# KiCad board P3.kicad_pcb (continued)
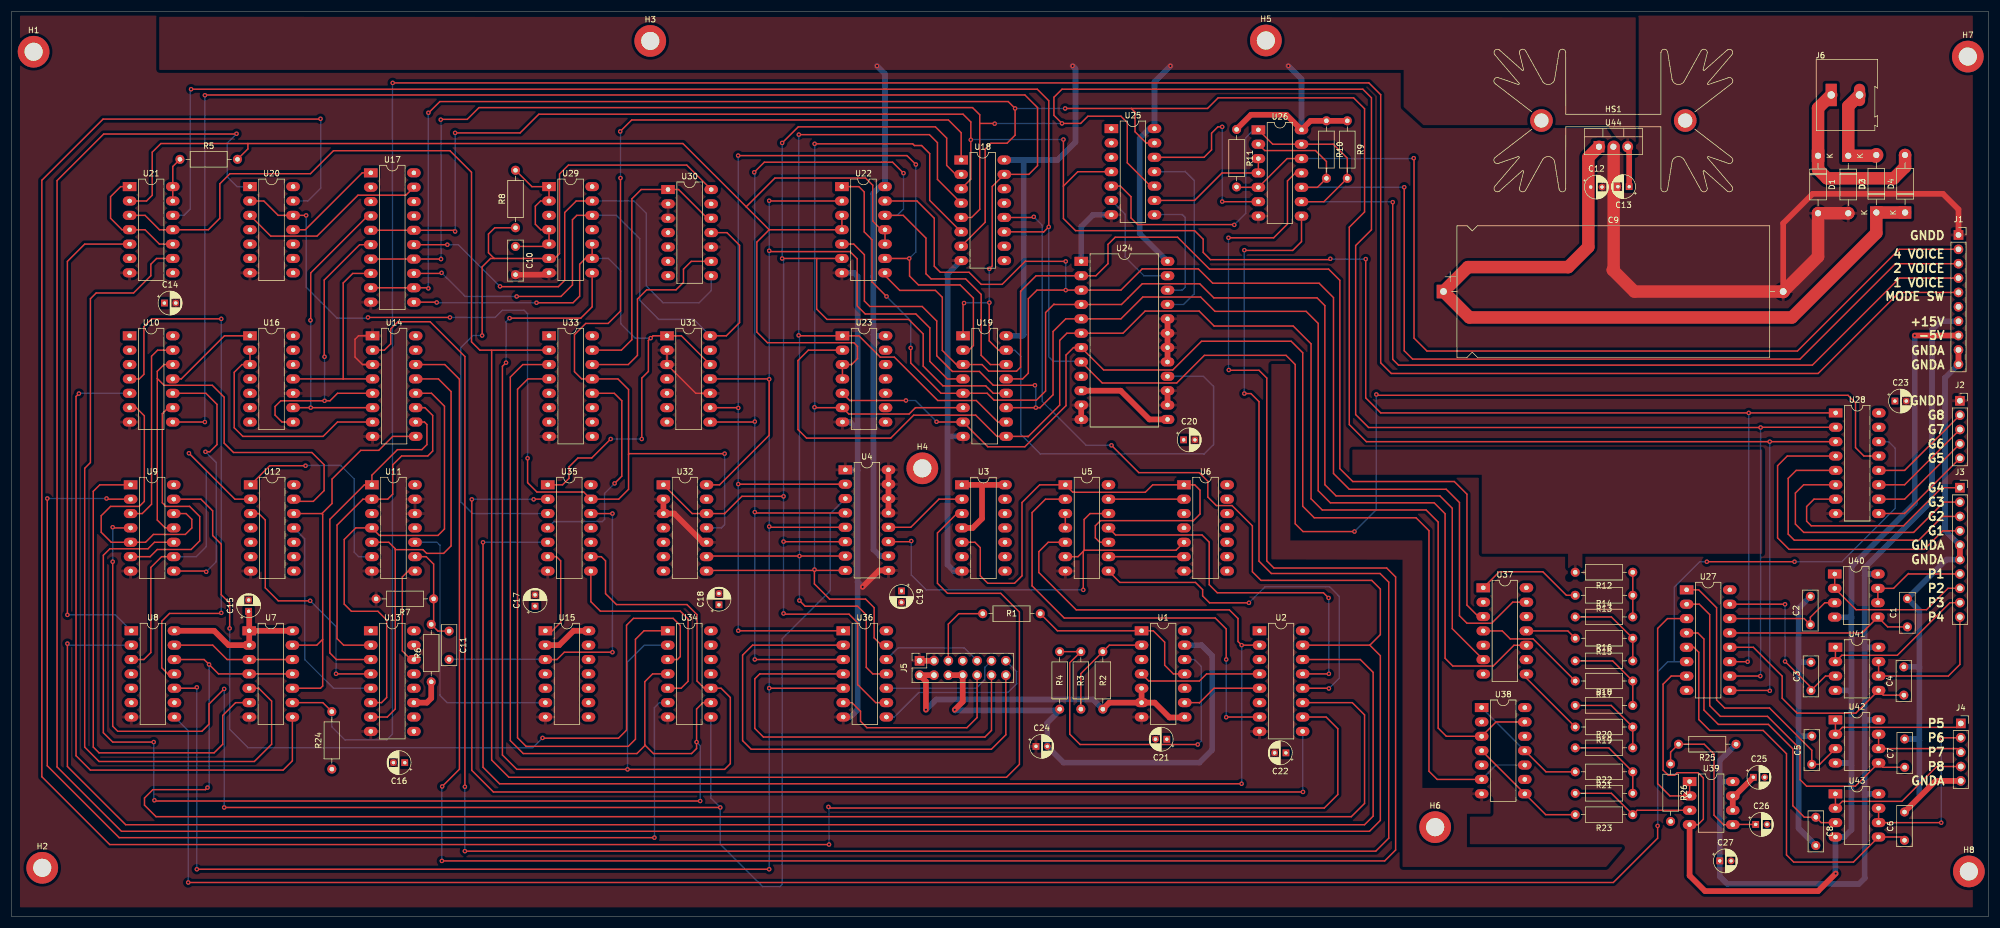
[diagram p0: board, top side]
## Routing (per net, layer and track width the routed paths; a pad name or vN(x,y) marks a point on that pad's centre or on a via; arc(x,y) is an arc through that point)
+3.3VDAC: length 7.5
  Top w1: C25.1 304.39,21.34 U39.7 U39.6
+5V: length 402.3
  Top w0.25: R5.1 28.51,132.59 U21.14 U21.13 ; U21.1 19.31,129.04 17.53,127.25 17.53,123.44 19.55,121.42 U21.4 23.62,121.42 26.16,118.88 U21.10
  Top w1: U24.13 201.02,87.88 195.94,92.96 U24.10 ; U7.1 U7.14 ; U7.1 U7.2 38.37,47.99 35.83,50.53 U8.14 ; U7.1 42.02,53.86 C15.1 ; U15.2 96.76,47.99 99.31,50.55 99.33,50.53 U15.14 ; U1.6 U1.5 ; U1.6 201.94,37.83 204.57,35.2 207.21,35.2 207.25,35.24 U1.8 ; U1.6 193.93,37.83 R2.1 ; U3.1 171.32,76.33 ; 171.58,76.33 U3.14 ; 162.96,42.69 J5.2 161.54,41.57 v1(161.54,36.58) ; U13.11 73.39,37.83 74.17,38.61 R6.1 ; U3.4 169.8,68.71 171.45,70.36 171.45,76.2 ; C13.1 285.76,135.82 U44.3 ; R9.1 R10.1 229.47,140.67 U26.14 225.22,141.73 218.95,141.73 216.41,139.19 R11.1
  Bottom w1: 152.27,102.87 152.27,64.9 153.43,63.74 U4.10 ; 152.27,102.87 152.48,102.67 U23.14 ; 152.27,102.87 152.27,113.04 152.22,113.09 152.22,127.83 153.42,129.04 U22.14 154.32,148.96 v1(152.91,150.37) ; 178.82,133.6 178.82,102.87 178.61,102.67 U19.16 ; U24.24 199.29,120.75 199.29,137.57 201.01,139.29 U25.14 201.91,147.56 v1(204.72,150.37) ; R2.1 191.07,38.4 163.37,38.4 v1(161.54,36.58) ; v1(187.45,150.37) 187.96,149.86 187.96,136.91 184.79,133.74 U18.16 ; v1(225.55,150.37) 227.88,148.04 U26.14
+15V: length 170.6
  Bottom w1: U40.8 327.57,60.57 327.36,60.35 ; 327.36,35.1 327.67,34.79 U42.8 ; 327.36,35.1 327.36,21.59 ; 327.36,35.1 327.36,47.55 ; J1.7 340.76,105.25 339.24,103.73 339.24,73.56 327.36,61.67 327.36,60.35 ; 327.36,21.59 327.36,6.81 326.34,5.79 303.07,5.79 301.75,7.11 301.75,23.77 ; 327.36,21.59 327.47,21.71 U43.8 ; R25.1 301.75,27.61 301.75,23.77 ; U41.8 327.42,47.62 327.36,47.55 ; 301.75,23.77 301.86,23.88 U39.8 ; 327.36,60.35 327.36,47.55
-5V: length 282.5
  Top w0.25: U39.4 297.9,16.26 298.86,17.22 298.86,24.5 297.91,25.45 294.23,25.45 293.78,24.99 292.66,24.99 291.74,25.91 291.74,41.09 293.18,42.53 U27.7
  Top w1: v1(322.22,7.62) 319.13,4.52 299.16,4.52 296.43,7.26 U39.4 ; J5.6 J5.8 168.04,37.99 v1(166.62,36.58) ; v1(336.19,102.72) 343.91,102.72 J1.8
  Bottom w1: 325.02,26.77 324.62,27.17 U42.4 ; 325.02,26.77 325.02,15.37 323.74,14.09 U43.4 322.18,7.66 v1(322.22,7.62) ; 325.02,26.77 325.02,39.62 ; 325.02,39.62 325.02,52.83 ; 325.02,39.62 324.65,40 U41.4 ; 325.02,52.83 324.9,52.95 U40.4 ; 325.02,52.83 325.02,61.87 336.19,73.05 v1(336.19,102.72) ; U1.13 210.23,47.99 212.09,46.13 212.09,29.46 209.85,27.23 185.85,27.23 C24.2 182.97,34.26 185.17,36.45 166.75,36.45 v1(166.62,36.58)
GND: length 357.8
  Top w0.25: U14.3 62.03,97.59 60.71,98.91 60.71,102.06 61.32,102.67 U14.1 ; 344.17,91.08 J2.1 ; U31.2 U31.3 120.89,92.51 U31.10
  Top w1: U24.17 U24.18 U24.19 U24.20 ; J5.1 162.96,45.23 ; U24.11 U24.12 ; C9.2 312.96,122.56 318.16,127.76 341.17,127.76 343.92,125.02 J1.1 ; U24.14 U24.15 ; U32.2 U32.3 117.09,71.25 122.17,66.17 U32.10 ; U29.7 94.64,113.47 C10.2 ; v1(150.37,58.29) 153.27,61.2 U4.9 ; U4.13 U4.14 U4.15 U4.16
  Top w2.2: D2.2 D1.2 319.12,116.65 C9.2 286.66,110.49 282.85,114.3 283.02,114.46 283.02,136.08
  Bottom w1: U4.1 149.48,78.98 ; 149.48,86.23 149.48,36.58 148.19,35.29 U36.7 ; U22.7 148.84,113.8 149.48,113.16 149.48,86.11 148.16,87.43 U23.7 ; v1(150.37,58.29) 149.48,59.18 ; U19.8 165.41,84.89 ; U24.1 188.98,121.97 191.06,124.05 U25.7 ; U3.7 166.49,61.09 165.35,62.23 165.35,113.55 U18.8
GNDA: length 159.4
  Top w1: J3.6 J3.5 ; C6.2 339.88,24 J4.5 ; J1.10 J1.9
  Bottom w1: J3.6 341.8,63.12 C1.2 337.01,54.11 337.01,44.04 ; 337.01,31.19 337.01,21.13 C6.2 ; 337.01,31.19 336.79,31.41 C7.2 ; 337.01,31.19 337.01,44.04 ; C2.2 315.67,54.52 315.67,45.06 ; 337.01,44.04 336.89,44.16 C4.2 ; 315.67,45.06 315.67,31.8 ; 315.67,45.06 315.76,44.97 C3.2 ; 315.67,31.8 315.67,15.62 C8.2 ; 315.67,31.8 315.79,31.92 C5.2 ; J1.10 341.53,95.25 341.53,68.3 J3.5
/1_VOICE: length 227.6
  Top w0.25: U25.5 195.89,129.13 197.76,127.25 197.76,123.49 198.93,122.33 215.95,122.33 v1(216,122.28) ; v1(243.99,126.29) 243.99,98.5 245.01,97.49 318.11,97.49 333.5,112.88 333.51,112.87 J1.4 ; U26.1 222.8,136.53 U26.13 233.46,136.53 233.48,136.55 235.97,134.06 R9.2 231.83,126.37 U26.9
  Bottom w0.25: v1(216,122.28) 218.03,124.31 218.03,137.67 219.44,139.07 U26.1 ; v1(243.99,126.29) 243.91,126.37 U26.9
/2_VOICE: length 173.9
  Top w0.25: U26.2 221.38,135.41 230.35,135.41 232.28,133.48 R10.2 230.69,128.91 U26.10 ; v1(246.02,128.93) 246.02,100.03 247.5,98.55 315.93,98.55 332.79,115.41 J1.3
  Bottom w0.25: v1(246.02,128.93) 246,128.91 U26.10
/4_VOICE: length 169.8
  Top w0.25: U26.12 225.34,133.99 U26.5 216.48,128.91 R11.2 ; v1(247.7,134.06) 247.75,134.01 247.75,102.26 250.04,99.97 315.47,99.97 333.45,117.95 J1.2
  Bottom w0.25: v1(247.7,134.06) 247.63,133.99 U26.12
/A0: length 206.4
  Top w0.25: U31.9 128.35,89.97 v1(128.4,89.92) ; U4.2 128.41,76.44 v1(128.4,76.45) ; U36.1 128.41,50.53 v1(128.4,50.55) ; v1(159.77,132.94) 158.19,134.52 v1(128.37,134.52) ; U19.2 169.11,100.13 169.93,100.94 169.93,109.32 167.59,111.66 160.22,111.66 158.65,113.23 158.65,116.28 v1(158.59,116.34) U22.9
  Bottom w0.25: v1(128.37,134.52) 128.4,134.49 v1(128.4,89.92) v1(128.4,76.45) v1(128.4,50.55) ; v1(159.77,132.94) 159.77,117.51 v1(158.59,116.34)
/A1: length 206
  Top w0.25: U31.8 131.24,87.43 v1(131.32,87.5) ; v1(157.58,131.42) 155.65,133.35 132.99,133.35 v1(131.22,131.57) ; U22.12 157.53,123.96 161.54,119.94 161.54,113.64 162.46,112.73 168.55,112.73 171.3,109.98 171.3,99.21 172.92,97.59 U19.14 ; 146.94,45.45 131.33,45.45 v1(131.32,45.47) ; U4.4 131.46,71.36 v1(131.32,71.5)
  Bottom w0.25: v1(131.22,131.57) 131.32,131.47 v1(131.32,87.5) v1(131.32,71.5) v1(131.32,45.47) ; U22.12 156.47,123.96 157.58,125.07 v1(157.58,131.42)
/A2: length 381.9
  Top w0.25: U36.5 133.87,40.37 v1(133.86,40.39) ; U8.10 32.6,40.37 v1(32.77,40.54) ; U4.5 134,68.82 v1(133.86,68.96) ; v1(32.77,8.38) v1(133.86,8.38) ; U19.4 165.33,95.05 162.23,98.15 162.23,104.06 159.77,106.53 150.83,106.53 149.4,107.95 149.4,116.28 148.13,117.55 134.01,117.55 v1(133.86,117.7) ; U22.2 133.9,126.5 v1(133.86,126.54) ; U32.14 125.1,76.33 133.86,85.09 v1(133.86,95) 133.81,95.05 U31.11
  Bottom w0.25: v1(133.86,8.38) v1(133.86,40.39) v1(133.86,68.96) v1(133.86,95) v1(133.86,117.7) v1(133.86,126.54) ; v1(32.77,40.54) v1(32.77,8.38)
/A3: length 251.5
  Top w0.25: v1(136.4,66.29) 136.41,66.28 U4.6 ; 142.29,116.34 U22.6 ; 142.29,116.34 136.15,116.34 v1(136.14,116.33) ; 142.29,116.34 142.24,116.29 142.24,107.39 144.07,105.56 158.5,105.56 161.06,103 161.06,97.31 164.54,93.83 172.11,93.83 173.43,92.51 U19.12 ; U32.1 120.25,71.25 U32.12 125.98,71.25 125.98,71.25 129.03,74.3 v1(136.4,74.3) ; U36.9 152.67,37.83 149.48,41.02 149.48,51.94 147.96,53.47 136.53,53.47 v1(136.4,53.59) ; U18.2 166.79,131.2 165.2,132.79 165.2,137.62 163.22,139.6 138.99,139.6 v1(136.14,136.75)
  Bottom w0.25: v1(136.14,136.75) v1(136.14,116.33) 136.4,116.08 v1(136.4,74.3) v1(136.4,66.29) v1(136.4,53.59)
/A4: length 213.6
  Top w0.25: U19.10 174.24,87.43 170.43,91.24 163.63,91.24 155.96,98.91 153.47,98.91 149.71,102.67 U23.1 139.14,102.67 v1(139.06,102.74) ; U32.9 122.9,63.74 v1(139.21,63.74) U4.7 ; U18.4 163.58,130.31 163.58,136.8 162.15,138.23 v1(139.09,138.23) ; U36.11 152.16,42.91 151,44.07 151,53.34 149.48,54.86 140.21,54.86 v1(139.19,55.88)
  Bottom w0.25: v1(139.09,138.23) 139.09,102.77 v1(139.06,102.74) 139.21,102.6 v1(139.21,63.74) 139.21,55.9 v1(139.19,55.88)
/A5: length 186.9
  Top w0.25: v1(141.88,136.6) 159.21,136.6 159.51,136.3 160.78,136.3 162.2,134.87 162.2,126.6 U18.6 ; 141.84,61.2 141.84,58.82 144.53,56.13 150.88,56.13 152.4,54.61 152.4,49.28 153.69,47.99 U36.13 ; 141.84,61.2 U4.8 ; 141.84,61.2 122.9,61.2 U32.8 ; U19.6 159.69,89.97 158.57,88.84 147.92,88.84 U23.6 141.93,89.97 v1(141.86,90.04)
  Bottom w0.25: v1(141.88,136.6) 141.88,90.07 v1(141.86,90.04) v1(141.86,61.34)
/CK0: length 128.2
  Top w0.25: v1(83.16,102.72) 83.16,114.86 84.64,116.34 85.29,116.34 ; 85.29,116.34 U29.6 95.97,116.34 96.82,117.2 96.82,131.27 98.4,132.84 119.3,132.84 U30.14 ; 85.29,116.34 84.28,117.35 84.28,120.65 85.39,121.77 R8.1
  Bottom w0.25: v1(83.16,102.72) 81.53,102.72 79.4,100.58 79.4,73.3 81.45,71.25 U35.3
/CK1: length 49.5
  Top w0.25: U30.12 122.94,123.44 117.86,128.52 U30.1 111.25,128.52 109.6,126.87 109.6,101.98 107.75,100.13 U33.15
/CK2: length 35.8
  Top w0.25: U33.14 108.97,97.59 110.59,99.21 110.59,109.17 112.22,110.79 117.4,110.79 118.72,112.12 118.72,114.45 120.09,115.82 U30.9
/CLC: length 307.4
  Top w0.25: v1(9.91,48.26) 9.91,26.54 20.19,16.26 239.01,16.26 240.54,17.78 240.54,43.18 238.27,45.45 228.08,45.45
  Bottom w0.25: U8.2 10.17,47.99 v1(9.91,48.26)
/D0: length 197.1
  Top w0.25: U37.3 259.12,53.05 257.1,55.07 257.1,74.68 254.86,76.91 236.93,76.91 234.65,79.2 234.65,112.47 232.66,114.45 211.63,114.45 205.99,120.09 194.97,120.09 193.7,118.82 193.7,115.42 191.57,113.28 U24.2 181,113.28 178.26,110.54 178.26,97.13 177.55,96.42 172.62,96.42 171.45,97.59 U19.3 166.93,97.59 164.44,100.08 164.44,109.47 163.22,110.69 156.92,110.69 154.32,113.3 U22.8
/D1: length 214.8
  Top w0.25: v1(186.23,115.82) 179.07,115.82 175.01,111.76 171.3,111.76 169.16,113.89 164.08,113.89 163.02,114.96 163.02,123.44 159.96,126.5 U22.13 ; U19.13 178.61,95.05 179.63,96.06 179.63,109.22 181.15,110.74 v1(186.23,110.74) U24.3 195.99,110.74 199.74,114.5 209.66,114.5 212.19,111.96 230.99,111.96 233.53,109.42 233.53,78.33 236.32,75.54 253.44,75.54 255.78,73.2 255.78,53.19 257.1,51.87 261.47,51.87 265.19,55.59 U37.13
  Bottom w0.25: v1(186.23,110.74) v1(186.23,115.82)
/D2: length 217
  Top w0.25: v1(158.85,100.53) 158.85,97.87 164.21,92.51 U19.5 172.36,92.51 173.58,91.29 181.05,91.29 182.68,92.91 182.68,106.78 184.15,108.25 184.2,108.2 U24.4 196.09,108.2 199.75,111.87 209.9,111.87 212.39,109.37 230.63,109.37 232,108 232,76.35 233.98,74.37 252.32,74.37 254.51,72.19 254.51,50.9 U37.6 ; U22.1 149.7,129.04 150.65,128.09 150.65,121.03 152.02,119.66 152.02,112.19 v1(154.58,109.63)
  Bottom w0.25: v1(158.85,100.53) 158.85,105.36 v1(154.58,109.63)
/D3: length 224.2
  Top w0.25: U19.11 181.71,89.97 181.71,89.97 184,92.25 184,103.43 186.23,105.66 U24.5 195.99,105.66 199.85,109.52 210.06,109.52 212.59,106.99 228.7,106.99 230.84,104.85 230.84,75.29 232.97,73.15 251.31,73.15 253.24,71.22 253.24,45.67 254.6,44.3 261.73,44.3 265.39,47.97 U37.10 ; v1(180.8,93.93) 180.79,93.92 173.44,93.92 170.99,96.37 166.22,96.37 163.45,99.14 163.45,105.28 160.88,107.85 151.64,107.85 150.67,108.81 150.67,116.99 148.79,118.88 U22.5
  Bottom w0.25: v1(180.95,89.97) 180.95,93.78 v1(180.8,93.93)
/D4: length 238.5
  Top w0.25: U38.13 262.24,34.42 U38.3 253.46,31.88 252.02,33.32 252.02,69.75 249.89,71.88 231.55,71.88 229.57,73.86 229.57,101.24 226.42,104.39 212.45,104.39 209.8,107.04 200.25,107.04 196.34,103.12 U24.6 186.44,103.12 185.17,101.85 185.17,90.42 179.58,84.84 179.53,84.89 U19.9 174.09,84.89 170.33,88.65 159.38,88.65 155.32,84.58 140.46,84.58 138.94,86.11 138.94,98.3 140.77,100.13 U23.2
/D5: length 214.6
  Top w0.25: U38.6 251.84,24.26 250.39,25.7 250.39,68.22 248.11,70.51 230.12,70.51 228.09,72.54 228.09,99.67 226.06,101.7 210.21,101.7 205.14,96.63 192.93,96.63 U24.7 187.6,100.58 186.28,99.26 186.28,90.32 179.02,83.06 172.47,83.06 U19.7 163.47,87.43 v1(163.42,87.48) ; v1(158.01,91.24) 148.07,91.24 U23.5
  Bottom w0.25: v1(158.01,91.24) 159.66,91.24 v1(163.42,87.48) ; U38.10 262.24,26.8 U38.6
/F0: length 87.4
  Top w0.25: U17.15 77.01,118.77 v1(77.01,118.77) ; v1(86.31,111.4) 86.36,111.35 96.62,111.35 97.74,112.47 97.74,124.46 99.78,126.5 U29.13
  Bottom w0.25: U29.13 109.98,126.5 112.17,124.31 112.17,111.46 115.11,108.51 121.46,108.51 123.61,110.66 U30.8 ; v1(77.01,118.77) 78.94,118.77 v1(86.31,111.4)
/F1: length 107.8
  Top w0.25: U17.13 75.9,113.69 v1(76,113.79) ; U29.12 99.88,123.96 99.11,123.19 99.11,111.66 97.08,109.63 v1(89.26,109.63) ; U30.11 126.39,120.9 128.63,118.67 128.63,105 126.29,102.67 U31.14
  Bottom w0.25: v1(76,113.79) 80.16,109.63 v1(89.26,109.63) ; U31.14 120.53,105.56 114.35,105.56 111,108.92 111,119.84 106.88,123.96 U29.12
/F2: length 114.7
  Top w0.25: v1(111.35,84.43) 111.35,95.2 112.52,96.37 112.52,101.85 v1(112.93,102.26) 113.34,102.67 U31.1 118.35,102.67 U31.12 ; U17.11 75.08,108.61 v1(75.13,108.56) ; v1(92.76,108.51) 99.21,108.51 100.38,109.68 100.38,115.32 101.4,116.34 U29.9 U29.10 ; v1(105.87,84.43) 102.51,81.08 100.08,81.08 98.5,79.5 98.5,77.47 97.36,76.33 U35.1
  Bottom w0.25: v1(105.87,84.43) v1(111.35,84.43) ; v1(92.76,108.51) 75.18,108.51 v1(75.13,108.56) ; v1(112.93,102.26) 110.19,102.26 107.65,104.8 107.65,114.15 105.46,116.34 U29.9
/FROM_KEYBOARD: length 13.3
  Top w0.25: R1.2 167.35,53.56 165.5,51.71 J5.5
/G1: length 58.1
  Top w0.25: J3.4 341.15,68.2 337.87,64.92 313.99,64.92 311.96,66.95 311.96,79.71 313.68,81.42 U28.4
/G2: length 51.3
  Top w0.25: J3.3 341.1,70.74 336.91,66.55 314.91,66.55 313.84,67.61 313.84,77.47 315.25,78.88 U28.5
/G3: length 45.1
  Top w0.25: J3.2 341.35,73.28 335.99,67.92 316.59,67.92 315.11,69.39 315.11,74.88 316.57,76.34 U28.6
/G4: length 38.5
  Top w0.25: J3.1 340.94,75.82 334.21,69.09 317.91,69.09 317.09,69.9 317.09,72.49 318.4,73.8 U28.7
/G5: length 18.4
  Top w0.25: J2.5 334.4,71.26 U28.9
/G6: length 18.4
  Top w0.25: J2.4 334.4,73.8 U28.10
/G7: length 18.4
  Top w0.25: U28.11 334.4,76.34 J2.3
/G8: length 18.4
  Top w0.25: J2.2 334.4,78.88 U28.12
/IC2-D2: length 67.3
  Top w0.25: U5.8 195.8,59.08 209.14,59.08 210.41,57.81 210.41,56.69 211.63,55.47 v1(218.59,55.47) ; U2.12 232.68,40.37 v1(232.71,40.34)
  Bottom w0.25: v1(218.59,55.47) 221.44,58.32 232.82,58.32 234.54,56.59 234.54,42.16 v1(232.71,40.34)
/IC2-D3: length 66.5
  Top w0.25: v1(232.71,42.93) 232.7,42.91 U2.13 ; v1(232.66,56.34) 231.75,57.25 213,57.25 211.58,58.67 211.58,66.19 210.31,67.46 195.04,67.46 U5.11
  Bottom w0.25: v1(232.66,56.34) 232.71,56.29 v1(232.71,42.93)
/IC2_11: length 301.7
  Top w0.25: 28.81,45.45 34.05,45.45 v1(34.93,44.58) 36.59,42.91 U7.4 U7.11 ; v1(34.65,22.81) 34.29,22.45 24.99,22.45 23.52,20.98 23.52,19.71 25.55,17.68 236.68,17.68 239.01,20.02 239.01,35.66 236.84,37.83 U2.11
  Bottom w0.25: v1(34.65,22.81) 34.93,23.09 v1(34.93,44.58)
/IC14_4: length 36.6
  Top w0.25: U17.8 60.3,113.69 58.62,112.01 58.62,95.05 ; 58.62,95.05 U14.4 ; 58.62,95.05 U16.11
/IC14_5: length 55.6
  Top w0.25: U16.8 47.8,87.43 46.58,88.65 46.58,90.17 47.6,91.18 v1(55.32,91.18) 56.28,91.18 57.61,92.51 U14.5 ; U17.6 61.52,118.77 55.27,112.52 55.27,99.01 v1(55.32,98.96)
  Bottom w0.25: v1(55.32,98.96) 55.32,98.96 v1(55.32,91.18)
/IC14_6: length 52.7
  Top w0.25: U17.4 62.95,123.85 52.88,113.79 52.88,105.46 v1(52.83,105.41) ; U14.6 v1(52.88,89.97) U16.9
  Bottom w0.25: v1(52.83,105.41) 52.88,105.36 v1(52.88,89.97)
/IC14_7: length 41.8
  Top w0.25: U14.7 57.61,87.43 55.07,84.89 40.89,84.89 39.37,86.41 39.37,96.22 40.74,97.59 U16.3 U16.2
/IC18_3: length 391.5
  Top w0.25: v1(78.38,138.53) 89.87,138.53 93.17,141.83 168.1,141.83 169.47,140.46 v1(169.47,137.31) 169.47,130.36 U18.3 ; 185.83,129.13 v1(185.83,137.36) ; 185.83,129.13 188.37,131.67 U25.4 ; 185.83,129.13 185.83,123.39 187.96,121.26 208.99,121.26 210.52,119.74 210.52,117.4 211.79,116.13 232.82,116.13 v1(232.97,116.28) ; v1(306.68,45.06) 306.67,45.07 U27.11 ; U17.5 U17.16 78.18,121.31 v1(78.38,121.11) ; U28.1 v1(306.87,89.04) 241.87,89.04 239.22,91.69 v1(239.22,116.23)
  Bottom w0.25: v1(232.97,116.28) 233.02,116.23 v1(239.22,116.23) ; v1(78.38,121.11) v1(78.38,138.53) ; v1(306.68,45.06) 306.87,45.25 v1(306.87,89.04) ; v1(169.47,137.31) 169.52,137.36 v1(185.83,137.36)
/IC18_5: length 449.8
  Top w0.25: v1(75.9,116.23) 75.89,116.23 U17.14 U17.7 ; 171.04,140.21 171.04,125.02 169.61,123.58 U18.5 ; 171.04,140.21 171.04,141.73 169.77,143 82.6,143 80.52,140.92 75.9,140.92 v1(75.84,140.87) ; 171.04,140.21 173.63,140.21 v1(173.69,140.16) ; U28.2 309,86.5 v1(308.97,86.46) 239.73,86.46 237.44,88.75 237.44,118.62 240.23,121.41 240.23,144.73 238.71,146.25 185.57,146.25 184.15,144.83 184.15,141.63 v1(185.57,140.21) 188.87,140.21 190.14,141.48 195.99,141.48 197.1,140.36 197.1,133.25 201.22,129.13 U25.10 ; U27.10 308.9,42.53 v1(308.91,42.52)
  Bottom w0.25: v1(75.84,140.87) 75.9,140.82 v1(75.9,116.23) ; v1(308.91,42.52) 308.97,42.57 v1(308.97,86.46) ; v1(173.69,140.16) 173.74,140.21 v1(185.57,140.21)
/IC18_7: length 443.4
  Top w0.25: 197.82,142.85 v1(186.13,142.85) ; 197.82,142.85 211.28,142.85 213.16,144.73 237.08,144.73 239.01,142.8 239.01,124.56 236.32,121.87 236.32,86.97 239.33,83.96 v1(310.58,83.96) U28.3 ; 197.82,142.85 198.48,142.19 198.48,138.73 200.46,136.75 U25.13 ; U17.9 U17.12 73.55,111.15 v1(73.66,111.05) ; U27.9 310.53,39.99 v1(310.59,39.93) ; v1(73.66,142.09) 73.71,142.09 75.69,144.07 176.07,144.07 v1(177.29,142.85) 177.29,138.13 175.87,136.7 173.02,136.7 172.01,135.69 172.01,122.74 U18.7
  Bottom w0.25: v1(310.58,83.96) 310.58,39.94 v1(310.59,39.93) ; v1(73.66,111.05) v1(73.66,142.09) ; v1(186.13,142.85) v1(177.29,142.85)
/K0: length 92.4
  Top w0.25: U36.2 130.92,47.99 129.16,46.23 129.16,31.12 130.68,29.59 173.1,29.59 175.66,32.15 J5.14
/K1: length 77.5
  Top w0.25: U36.4 132.22,42.91 132.21,42.93 131.32,42.04 131.32,33.27 132.84,31.75 171.96,31.75 173.12,32.91 173.12,42.69
/K2: length 34.8
  Top w0.25: U36.6 148.48,37.83 149.99,36.32 149.99,34.54 151.13,33.4 168.78,33.4 170.58,35.2 J5.10
/K3: length 30.3
  Bottom w0.25: J5.13 177.55,43.35 177.55,41.15 176.02,39.62 160.27,39.62 155.94,35.29 U36.8
/K4: length 21.8
  Bottom w0.25: 173.12,45.23 171.95,44.06 171.95,41.9 170.42,40.37 U36.10
/K5: length 17.8
  Bottom w0.25: 154.56,45.45 156.61,47.5 168.31,47.5 J5.9
/M: length 292.1
  Top w0.25: 109.02,81.74 109.02,75.54 107.27,73.79 U35.13 101.1,75.06 92.84,75.06 91.19,76.71 v1(91.19,81.03) ; 109.02,81.74 109.12,81.84 v1(125.98,81.84) ; 109.02,81.74 109.02,93.17 107.14,95.05 U33.13 100.74,95.05 99.47,96.32 99.47,102.87 101.45,104.85 105.41,104.85 107.59,107.04 v1(107.59,130.56) ; v1(107.54,138.79) 109.58,140.82 165.51,140.82 167.77,138.56 U18.1 ; U20.2 44.6,126.5 47.14,123.96 U20.12 52.06,123.96 v1(52.07,123.95) ; v1(62.99,105.92) v1(77.47,105.92) ; U32.11 122.79,68.84
  Bottom w0.25: v1(91.19,81.03) 91.19,106.55 90.55,107.19 86.74,107.19 85.47,105.92 v1(77.47,105.92) ; v1(107.54,138.79) 107.59,138.73 v1(107.59,130.56) ; v1(52.07,123.95) 52.07,111.25 57.53,105.79 62.86,105.79 v1(62.99,105.92) ; U32.11 125.4,68.71 125.98,69.29 v1(125.98,81.84)
/MODE_SWITCH: length 469
  Top w0.25: J1.5 333.45,110.33 319.13,96.01 243.74,96.01 241.86,97.89 241.86,145.29 239.78,147.37 v1(67.36,147.37) ; R24.2 55.02,37.83 U7.9
  Bottom w0.25: R24.2 56.61,33.56 58.93,31.24 66.29,31.24 67.31,32.26 67.31,147.32 v1(67.36,147.37)
/P1: length 18.2
  Top w0.25: J3.7 335.15,60.58 335.08,60.66 332.45,58.03 U40.7 U40.6
/P2: length 27.8
  Top w0.25: J3.8 342.06,58.04 338.28,54.25 325.83,54.25 U40.2 U40.1
/P3: length 28.8
  Top w0.25: J3.9 342.42,55.5 333.12,46.2 323.31,46.2 U41.2 U41.1
/P4: length 26.1
  Top w0.25: U41.7 U41.6 342.13,42.53 344.17,44.58 J3.10
/P5: length 25.5
  Top w0.25: U42.1 U42.2 323.4,33.46 343.63,33.46 J4.1
/P6: length 32
  Top w0.25: v1(340.92,31.6) 340.94,31.62 J4.2 ; U43.7 U43.6 340.85,16.63 v1(340.87,16.61)
  Bottom w0.25: v1(340.92,31.6) 340.87,31.55 v1(340.87,16.61)
/P7: length 17.3
  Top w0.25: J4.3 343.7,29.71 U42.6 U42.7
/P8: length 27.7
  Top w0.25: J4.4 340.08,26.54 333.92,20.38 323.4,20.38 U43.2 U43.1
/R~{W}: length 282.4
  Top w0.25: U9.4 18.03,68.71 v1(17.91,68.83) ; v1(17.91,62.74) 17.91,33.66 18.8,32.77 33.66,32.77 34.93,34.04 34.93,37.59 v1(37.59,40.26) ; v1(37.59,19.3) v1(125.22,19.3)
  Bottom w0.25: U34.8 123.56,20.97 v1(125.22,19.3) 125.22,12.8 132.69,5.33 135.79,5.33 136.14,5.69 136.14,49.12 144.63,57.61 144.63,71.22 U4.3 ; v1(37.59,40.26) v1(37.59,19.3) ; v1(17.91,68.83) v1(17.91,62.74)
/SL1: length 415.7
  Top w0.25: v1(217.78,92.46) 218.95,92.46 220.37,91.03 220.37,62.84 222.55,60.66 241.76,60.66 243.28,59.13 243.28,13.87 241,11.58 v1(80.11,11.58) ; v1(217.78,117.81) 217.83,117.75 226.31,117.75 227.88,119.32 U26.8 ; U14.2 65.89,100.13 67.01,101.24 67.01,103.89 68.28,105.16 73.96,105.16 80.11,99.01 v1(80.11,22.96)
  Bottom w0.25: v1(217.78,117.81) v1(217.78,92.46) ; v1(80.11,11.58) v1(80.11,22.96)
/SL2: length 421.8
  Top w0.25: U14.14 76.55,97.59 79.15,95 79.15,26.06 v1(76.1,23.01) ; U26.11 226.8,131.45 225.4,130.05 225.4,122.43 222.96,119.99 v1(214.99,119.99) ; v1(76.05,9.86) 242.57,9.86 244.5,11.79 244.5,60.05 242.93,61.62 223.01,61.62 221.74,62.89 221.74,95.2 220.37,96.57 215.09,96.57 v1(215.04,96.62)
  Bottom w0.25: v1(215.04,96.62) 214.99,96.67 v1(214.99,119.99) ; v1(76.05,9.86) 76.05,22.96 v1(76.1,23.01)
/U17_0EA: length 17.9
  Top w0.25: U20.11 51.92,121.42 61.98,131.47 U17.1
/U17_0EB: length 34.1
  Top w0.25: U20.3 45.81,120.29 54,120.29 61.23,127.52 69.69,127.52 U17.19
/~{ANC}: length 437.7
  Top w0.25: v1(54.61,141.02) 54.56,140.97 16.21,140.97 5.38,130.15 5.38,24.74 17.37,12.75 v1(144.42,12.75) ; U2.10 232.22,35.29 234.29,33.22 234.29,21.59 231.9,19.2 144.53,19.2 v1(144.32,19.41)
  Bottom w0.25: v1(54.61,141.02) 54.66,140.97 54.66,128.78 52.38,126.5 U20.13 ; v1(144.32,19.41) 144.42,19.3 v1(144.42,12.75)
/~{CLC}: length 563.7
  Top w0.25: v1(39.78,138.38) 39.73,138.33 16.31,138.33 8.08,130.1 8.08,26.47 19.46,15.09 239.88,15.09 241.81,17.02 241.81,46.13 239.94,47.99 ; v1(180.59,123.7) 180.48,123.58 U18.12 ; v1(194.31,83.31) 199.14,78.49 209.8,78.49 211.33,76.96 211.33,74.17 212.83,72.67 215.61,72.67 219.2,69.07 219.2,60.96 220.73,59.44 240.28,59.44 241.81,57.91 241.81,49.86 239.94,47.99 ; 239.94,47.99 U2.15
  Bottom w0.25: v1(180.59,123.7) 182.07,122.22 182.07,91.08 189.84,83.31 v1(194.31,83.31) ; U20.1 39.87,129.04 38.15,130.76 38.15,136.75 v1(39.78,138.38)
/~{CP1}: length 342.6
  Top w0.25: U33.2 82.75,100.13 81.28,101.6 81.28,131.57 77.47,135.38 56.9,135.38 52.83,131.32 38.61,131.32 36.83,129.54 36.83,123.44 34.8,121.42 U21.11 26.16,121.42 23.62,123.96 U21.3 ; 84.84,100.08 84.84,27.69 87.88,24.64 175.77,24.64 178.05,26.92 178.05,53.85 174.75,57.15 165.35,57.15 163.58,58.93 163.58,67.82 167.01,71.25 U3.3
/~{CP2}: length 305.1
  Top w0.25: U9.10 25.28,66.17 24.13,65.02 17.4,65.02 16.26,63.88 16.26,32.51 17.91,30.86 v1(25.15,30.86) ; U33.3 90.35,97.59 88.14,95.38 88.14,31.12 90.42,28.83 110.49,28.83 111.95,30.29 ; v1(25.27,20.57) 25.4,20.45 v1(121.67,20.45) ; U34.9 122.16,37.83 121.03,36.7 v1(121.03,30.86) 121.03,29.72 120.14,28.83 113.41,28.83 111.95,30.29 ; 111.95,30.29 111.89,30.35 111.89,41.53 113.27,42.91 U34.4
  Bottom w0.25: v1(25.15,30.86) 25.15,20.7 v1(25.27,20.57) ; v1(121.03,30.86) 121.67,30.23 v1(121.67,20.45)
/~{CP3}: length 200.2
  Top w0.25: v1(113.59,13.97) 19.05,13.97 6.35,26.67 v1(6.35,73.91) ; v1(16.81,73.91) 16.94,73.79 U9.2
  Bottom w0.25: U34.6 114.49,37.83 113.59,36.93 v1(113.59,13.97) ; v1(16.81,73.91) v1(6.35,73.91)
/~{F2}: length 220.4
  Top w0.25: v1(228.14,22.05) 85.14,22.05 81.33,25.86 v1(81.33,73.76) ; U35.2 92.28,73.79 v1(92.25,73.76)
  Bottom w0.25: U2.9 228.08,22.11 v1(228.14,22.05) ; v1(92.25,73.76) v1(81.33,73.76)
/~{KD}: length 78.7
  Top w0.25: U5.2 182.66,73.79 180.29,71.42 180.29,58.47 185.98,52.78 212.65,52.78 214.58,50.85 v1(214.58,45.47) ; U2.7 214.62,35.29 v1(214.58,35.26)
  Bottom w0.25: v1(214.58,35.26) v1(214.58,45.47)
/~{KU}: length 266.6
  Top w0.25: U2.2 v1(217.31,47.99) 216.66,48.64 216.66,52.71 215.14,54.23 188.09,54.23 181.48,60.83 181.48,64.52 183.14,66.17 U5.5 ; v1(217.3,23.5) 86.23,23.5 83.31,26.42 v1(83.31,66.17)
  Bottom w0.25: v1(83.31,66.17) 83.32,66.17 U35.5 ; v1(217.31,47.99) 217.31,23.51 v1(217.3,23.5)
/~{M}: length 57.7
  Top w0.25: v1(106.17,46.74) 97.66,46.74 96.38,45.45 94.33,45.45 ; v1(106.17,71.25) 106.17,71.25 U35.12
  Bottom w0.25: C11.2 94.3,45.48 94.33,45.45 ; v1(106.17,46.74) v1(106.17,71.25)
/~{TGU}: length 84.5
  Top w0.25: U10.12 26.98,97.59 25.78,96.39 25.78,95.12 ; U9.11 27.17,68.71 25.78,70.1 25.78,95.12 ; U12.13 49.9,73.68 50.17,73.41 53.34,73.41 55.25,75.31 55.25,79.88 53.09,82.04 39.24,82.04 37.59,83.69 37.59,91.82 35.49,93.92 26.98,93.92 25.78,95.12
/~{UC}: length 157.4
  Top w0.25: v1(93.83,31.6) 93.88,31.55 107.24,31.55 108.66,32.97 108.66,51.51 109.88,52.73 116.89,52.73 118.16,51.46 118.16,45.97 117.64,45.45 115.94,45.45 ; U9.13 33.5,73.79 35.56,71.73 35.56,67.36 37.08,65.84 37.08,56.9 38.56,55.42 v1(38.56,50.95)
  Bottom w0.25: v1(38.56,50.95) 38.56,33.12 41.81,29.87 92.1,29.87 v1(93.83,31.6)
Net-(#FLG0106-pwr): length 140.6
  Top w2.2: U44.1 278.54,134.2 278.54,118.36 274.98,114.81 257.27,114.81 C9.1 257.53,105.92 314.5,105.92 329.4,120.82 D3.1 D4.1
Net-(C10-Pad1): length 27.1
  Top w0.25: C10.1 94.56,118.47 U29.5 U29.4 93.52,121.42 92.56,122.38 92.56,125.58 93.48,126.5 U29.2 U29.1 91.94,129.04 R8.2
Net-(C11-Pad1): length 18.3
  Top w0.25: U11.9 73.27,63.63 74.59,62.32 R7.1 74.59,51.86 74.34,51.61 ; C11.1 75.35,50.48 R6.2
Net-(D1-K): length 33.1
  Top w2.2: J6.1 319.12,142.91 D1.1 319.12,132.09 320.7,130.51 332.49,130.51 334.48,132.5 D4.2
Net-(D2-K): length 16.6
  Top w2.2: J6.2 324.45,143.25 D2.1 329.28,134.49
  Top w2.5: 329.28,134.49 D3.2
Net-(R12-Pad1): length 7.9
  Top w0.25: R14.2 R13.1 R12.1
Net-(R13-Pad2): length 19.1
  Top w0.25: U37.1 262.82,60.96 270.51,60.96 274.67,56.8 R13.2
Net-(R14-Pad1): length 15.7
  Top w0.25: R14.1 282.61,52.98 R15.1 R16.2
Net-(R15-Pad2): length 9.2
  Top w0.25: R15.2 274.92,50.51 U37.11
Net-(R16-Pad1): length 16
  Top w0.25: R18.2 R17.1 282.83,45.21 R16.1
Net-(R17-Pad2): length 19.9
  Top w0.25: R17.2 268.79,49.09 264.75,49.09 263.34,50.51 U37.4
Net-(R18-Pad1): length 15.4
  Top w0.25: R18.1 282.57,37.34 R19.1 R20.2
Net-(R19-Pad2): length 12.9
  Top w0.25: U37.8 267.6,42.15 R19.2
Net-(R20-Pad1): length 15.7
  Top w0.25: R20.1 282.14,29.84 R21.1 R22.2
Net-(R21-Pad2): length 21.2
  Top w0.25: R21.2 271.06,25.6 U38.11
  Bottom w0.25: U38.11 U38.1
Net-(R23-Pad2): length 21.2
  Top w0.25: U38.4 U38.8 271.01,18.03 R23.2
Net-(U1A-+): length 32.3
  Top w0.25: U1.11 205.25,42.91 203.71,44.45 203.71,48.51 201.69,50.53 U1.1 184.76,50.53 R1.1
Net-(U1A--): length 19.1
  Top w0.25: 188.9,36.7 188.9,42.96 R2.2 193.93,47.99 U1.2
Net-(U1B-+): length 60.3
  Top w0.25: v1(209.55,30.43) 188.77,30.43 186.94,32.26 186.94,44.88 R3.2 R4.1 ; 188.65,46.61 188.9,46.86
  Bottom w0.25: 207.25,45.45 208.96,45.45 210.16,44.25 210.16,31.04 v1(209.55,30.43)
Net-(U2-D0): length 21.9
  Top w0.25: U2.4 211.11,42.91 209.85,41.66 200.88,41.66 U1.4
Net-(U2-D1): length 14.3
  Top w0.25: U2.5 212.43,40.37 209.85,37.8 209.82,37.83 U1.9
Net-(U3A-D): length 15
  Top w0.25: U4.12 158.86,68.82 163.84,73.79 U3.2
Net-(U3A-Q): length 92.6
  Top w0.25: U3.5 170.2,66.17 171.15,65.23 171.15,60.25 172.47,58.93 177.19,58.93 178.51,60.25 178.51,73.2 181.64,76.33 U5.1 187.49,75.01 200.28,75.01 201.6,76.33 U6.1 209.01,76.33 209.96,75.39 209.96,71.17 208.79,70 192.38,70 191.47,69.09 191.47,66.95 192.25,66.17 U5.10
Net-(U4-Data_In): length 80.5
  Top w0.25: U6.5 205.72,64.77 189.53,64.77 ; v1(158.95,66.4) 158.84,66.28 U4.11 ; 189.53,64.77 189.31,64.54 ; 189.53,64.77 189.48,64.82 189.48,70.21 190.53,71.25 U5.12 ; 189.31,64.54 188.4,63.63 U5.6 ; 189.31,64.54 189.33,64.52 v1(189.33,57.76)
  Bottom w0.25: v1(189.33,57.76) 161.59,57.76 158.95,60.4 v1(158.95,66.4)
Net-(U5-Pad3): length 2.5
  Top w0.25: U5.4 U5.3
Net-(U5-Pad9): length 13.3
  Top w0.25: U6.6 U5.9
Net-(U5-Pad13): length 13.3
  Top w0.25: U5.13 U6.2
Net-(U7-Pad6): length 86.9
  Top w0.25: U9.1 15.63,76.33 14.48,75.18 14.48,29.97 15.49,28.96 35.81,28.96 37.34,30.48 37.34,35.56 39.61,37.83 U7.6
Net-(U7-Pad12): length 21.9
  Top w0.25: 49.64,45.45 38.12,45.45 35.58,47.99 U8.13
Net-(U10-Pad4): length 99.5
  Top w0.25: U10.4 22.61,95.05 23.42,95.86 23.42,104.29 24.79,105.66 v1(37.08,105.66) ; v1(37.08,53.7) 36.98,53.59 27.94,53.59 26.57,52.22 26.57,43.99 27.65,42.91 U8.11
  Bottom w0.25: v1(37.08,53.7) v1(37.08,105.66)
Net-(U10-Pad5): length 120.9
  Top w0.25: v1(11.94,92.46) 11.43,91.95 11.43,28.45 13.97,25.91 48.01,25.91 49.64,27.54 U7.8
  Bottom w0.25: v1(11.94,92.46) 11.99,92.51 U10.5
Net-(U10-Pad6): length 52.8
  Top w0.25: U9.12 30.86,71.25 31.88,70.23 31.88,68.71 30.73,67.56 25.1,67.56 23.7,66.17 U9.5 17.65,66.17 15.87,67.95 15.87,70.87 17.53,72.52 22.61,72.52 23.5,73.41 23.5,88.52 22.05,89.97 U10.6
Net-(U10-Pad9): length 43.3
  Top w0.25: U10.9 27.74,89.97 26.67,88.9 26.67,73.15 27.3,72.52 31.5,72.52 33.27,70.74 33.27,66.42 31.75,64.9 25.78,64.9 24.52,63.63 U9.6
Net-(U10-Pad10): length 46.8
  Top w0.25: U10.10 34.37,92.51 36.32,90.55 36.32,83.44 35.05,82.17 v1(34.29,82.17) ; v1(34.42,60.96) 34.29,61.09 U9.8
  Bottom w0.25: v1(34.29,82.17) 36.2,80.26 36.2,62.74 v1(34.42,60.96)
Net-(U10-Pad13): length 34.7
  Top w0.25: U9.3 23.12,71.25 24.77,72.9 24.77,99.06 25.83,100.13 U10.13
Net-(U11-Pad6): length 37.1
  Top w0.25: v1(51.97,79.71) 45.65,79.71 U12.1
  Bottom w0.25: U11.6 61.34,63.63 60.55,64.41 60.55,77.37 58.17,79.76 52.02,79.76 v1(51.97,79.71)
Net-(U12-Pad2): length 62.3
  Top w0.25: U12.2 39.49,73.79 v1(31.37,81.92) ; 21.19,45.45 23.4,45.45 24.64,46.69 24.64,61.72 26.55,63.63 U9.9
  Bottom w0.25: v1(31.37,81.92) 34.42,78.87 34.42,65.41 32.64,63.63 U9.9
Net-(U13-CLR): length 18.4
  Top w0.25: U11.8 70.11,61.09 69.06,60.05 69.06,46.96 70.58,45.45 71.11,45.45
Net-(U13-DOWN): length 44.9
  Top w0.25: U12.3 43.71,71.25 44.86,70.1 44.86,58.12 47.14,55.83 v1(52.78,55.83) ; U13.4 57.37,42.91 v1(57.35,42.93)
  Bottom w0.25: v1(52.78,55.83) 57.35,51.26 v1(57.35,42.93)
Net-(U13-QA): length 60.7
  Top w0.25: U14.10 72.97,87.43 73.41,87 73.41,83.44 72.52,82.55 68.2,82.55 63.68,78.03 U11.1 62.36,76.33 56.26,70.23 56.26,46.61 57.42,45.45 63.48,45.45
Net-(U13-QB): length 61.7
  Top w0.25: U13.2 58.69,47.99 57.53,49.15 57.53,69.22 62.11,73.79 U11.2 66.48,73.79 67.36,74.68 67.36,79.86 68.94,81.43 73.56,81.43 74.42,82.3 74.42,88.6 73.05,89.97 U14.11
Net-(U13-QC): length 84.3
  Top w0.25: U13.6 65.39,37.83 66.29,38.74 66.29,52.44 64.75,53.98 60.07,53.98 58.8,55.25 58.8,66.68 60.84,68.71 U11.4 65.01,67.39 75.36,67.39 76.5,68.53 76.5,90.22 74.22,92.51 U14.12
Net-(U13-QD): length 83
  Top w0.25: U13.7 66.41,35.29 67.82,36.7 67.82,64.87 ; 67.82,64.87 67.82,65.02 66.67,66.17 U11.5 ; 67.82,64.87 72.69,64.87 73.36,64.21 76.35,64.21 77.67,65.53 77.67,92.81 75.44,95.05 U14.13
Net-(U13-UP): length 37.8
  Bottom w0.25: U12.11 51.82,66.79 51.82,45.47 56.91,40.37 U13.5
Net-(U14-Zb): length 71.5
  Top w0.25: U7.13 53.96,47.99 54.99,49.02 ; 54.87,71.25 56.64,73.03 56.64,77.34 61.72,82.42 64.9,82.42 67.36,84.89 U14.9 ; 54.87,71.25 54.99,71.13 54.99,49.02 ; 54.87,71.25 U12.12 ; 54.99,49.02 54.99,40.77 54.59,40.37 U7.10
Net-(U15A-~{Q}): length 50.3
  Bottom w0.25: U11.10 75.18,66.17 75.72,65.64 75.72,39.14 75.69,39.12 76.98,37.83 U15.6
Net-(U15A-~{R}): length 16.8
  Top w0.25: U35.6 96.29,63.63 97.03,62.89 97.03,52.02 95.54,50.53 U15.1
